# KiCad board robot-hub_rev4.kicad_pcb (continued)
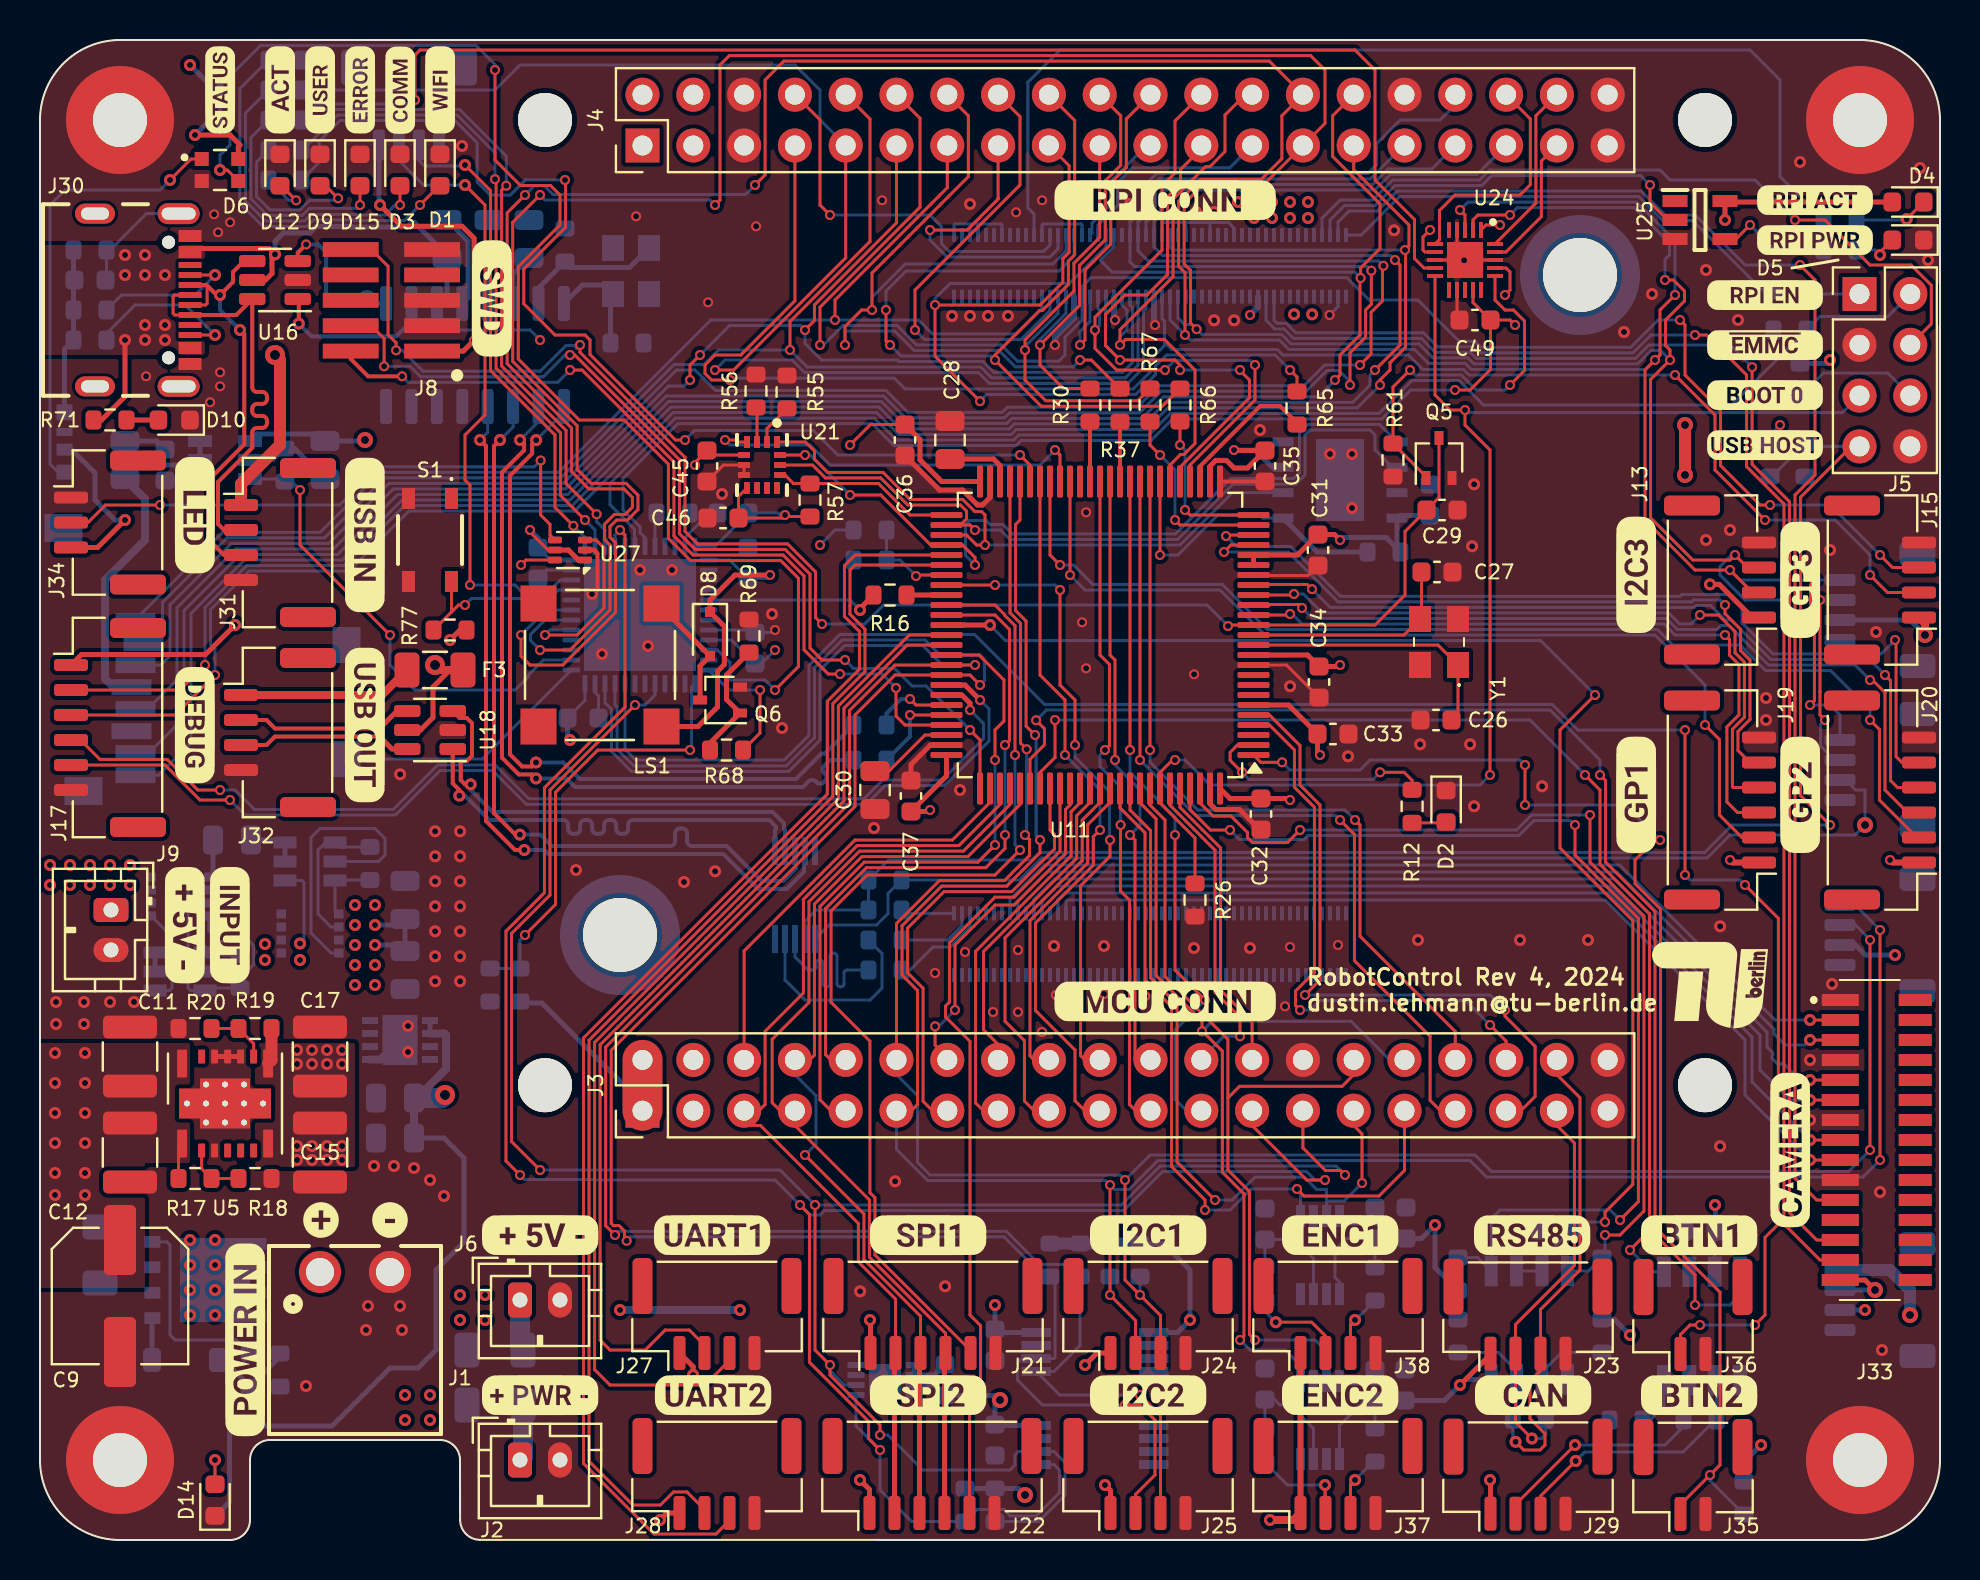
[diagram p0: board, top side]
## Routing (per net, layer and track width the routed paths; a pad name or vN(x,y) marks a point on that pad's centre or on a via; arc(x,y) is an arc through that point) (continued)
CM4_GPIO26: length 64
  Top w0.15: J4.13 45.37,67.62 39.75,62 v2(39.75,61)
  Bottom w0.15: Module1.24 50.1,61.57 48.84,60.31 44.62,60.31 43.92,61 v2(39.75,61) 33.54,61 25.93,53.39 17.01,53.39 14.01,50.39 9.13,50.39 4.77,46.03
CM4_GPIO27: length 75.5
  Top w0.15: v2(37.5,59.5) 37.5,60.93 41.5,64.93 41.5,71.05 J4.10
  Bottom w0.15: 54.33,58.17 54.27,58.11 ; 54.33,58.17 54.9,58.74 Module1.48 ; 54.33,58.17 54.27,58.11 ; 54.27,58.11 47.58,58.11 47.04,58.64 38.36,58.64 v2(37.5,59.5) 33.92,59.5 33.2,58.78 32.8,58.78 32.8,58.78 31.71,58.78 26.04,53.11 17.23,53.11 14.23,50.11 9.35,50.11 6.12,46.88 6.12,45.19 5.77,44.84
CM4_IDSC: length 5.6
  Bottom w0.15: 55.32,69.72 53.6,68 53.6,66.84 52.6,65.84 52.6,65.35 Module1.35
CM4_IDSD: length 16.6
  Top w0.15: v2(52,59.75) 52.25,60 52.25,63.5 53.54,64.79 53.54,67.85 54.31,68.62 54.31,71.05 J4.22
  Bottom w0.15: Module1.36 52.5,60.92 52,60.42 v2(52,59.75)
CM4_NRST: length 18.5
  Top w0.15: v2(73.5,57.75) 74.22,58.48 74.22,60.95 73.67,61.5 73.25,61.5 72.75,62 U24.16 ; 69.3,53.17 R61.1 67.65,57.65 v2(68.5,58.5)
  Bottom w0.15: v2(73.5,57.75) 73.25,57.5 71.81,57.5 71.06,58.25 68.75,58.25 v2(68.5,58.5)
CM4_USB_ROLE: length 80.5
  Top w0.15: v2(89.5,35.75) 88.03,37.22 88.03,41.55 88.03,41.55 88.03,41.95 88.03,41.95 88.03,52.14 90.57,54.68
  Bottom w0.15: 90.97,54.68 88.39,54.68 ; v2(89.5,35.75) 84.61,35.75 83.24,34.38 49.97,34.38 49.59,34 42.42,34 R53.2 R4.2 38.8,31.5 38.25,30.95 U19.2 ; R7.1 86.6,53.17
CS_FLASH: length 15.6
  Top w0.15: U11.32 v2(56,49.25)
  Bottom w0.15: v2(56,49.25) 56.89,49.25 58.89,51.25 61,51.25 61.16,51.09 U10.1
  Bottom w0.25: U10.1 63.84,49.4 R22.2
CS_IMU: length 9.2
  Top w0.15: U11.51 43.5,51.25 41.92,52.83 R57.2 37.67,52.83 37.25,53.25 U21.12
DETECT_USB: length 4.9
  Top w0.15: v2(43.8,48.2) 43.85,48.25 U11.57
  Bottom w0.15: v2(43.8,48.2) 43,49 R25.1 R24.2
ENABLE_SD: length 23.1
  Top w0.15: v2(13,52.5) 13,49.75 v2(17.5,45.25)
  Bottom w0.15: 12.57,52.92 v2(13,52.5) ; U9.3 12.12,53.05 ; U1.26 25.17,44 24.42,43.25 24.42,43.17 23.75,42.5 18.75,42.5 17.5,43.75 v2(17.5,45.25)
ENC1_A: length 41.8
  Top w0.15: 59.39,22.1 59.39,25.03 56.25,28.18 56.25,36 55.5,36.75 U11.93 ; 59.39,22.1 59.98,22.69 65.1,22.69 65.69,23.27 ; 59.39,22.1 59.39,18.5 60.47,17.42 60.47,10.28 v2(60.75,10)
  Bottom w0.15: v2(60.75,10) 63.75,10 64.32,9.42 U28.7
ENC1_B: length 44.9
  Top w0.15: 55,36.86 55.8,36.05 55.8,28.23 58.1,25.93 v2(58.1,25.44) 58.12,25.44 59.12,24.44 59.12,18.39 60.2,17.31 60.2,10.2 v2(60,10)
  Bottom w0.15: U28.5 63.03,8.73 62.25,9.5 60.5,9.5 v2(60,10) ; 68.22,23.27 65.56,25.94 58.6,25.94 v2(58.1,25.44)
ENC2_A: length 35.2
  Top w0.15: 65.69,20.73 66.1,20.31 v2(66.1,17.85) ; U11.91 54.5,36.5 55.53,35.47 55.53,28.11 56.85,26.79 56.85,18.9 v2(58.75,17)
  Bottom w0.15: 64.32,16.9 64.32,17.53 63.83,17.53 63.22,18.14 60.75,18.14 59.61,17 v2(58.75,17) ; 64.32,16.9 64.38,16.95 65.2,16.95 v2(66.1,17.85) ; 64.32,16.9 U29.7
ENC2_B: length 37.6
  Top w0.15: v2(58.25,16.5) 58.25,17 56.58,18.67 56.58,26.67 55.25,28 55.25,35.36 54,36.61 U11.90 ; v2(62.85,17.55) 63.2,17.2 66.95,17.2 68.22,18.48 68.22,20.73
  Bottom w0.15: U29.5 63.03,17.38 v2(62.85,17.55) 60.55,17.55 59.5,16.5 v2(58.25,16.5)
ERROR_LED: length 33.2
  Top w0.15: v2(27.83,51.29) 26.3,52.82 26.3,55.48 23.08,58.7 23.08,67.48 v2(23.31,67.72)
  Bottom w0.15: v2(27.83,51.29) 27.83,50.92 28.25,50.5 U1.39 ; R75.1 13.6,71.53 20.97,71.53 23.31,69.19 v2(23.31,67.72)
IMU_INT1: length 20.1
  Top w0.15: v2(34.25,55) 34.75,55 34.85,54.9 U21.4 ; v2(50.75,54.5) 51,54.25 U11.42
  Bottom w0.15: v2(34.25,55) 34.5,54.75 38.5,54.75 39.5,53.75 50,53.75 v2(50.75,54.5)
L431_SCL: length 105.2
  Top w0.15: v2(42,5.25) 42,5.75 39.5,8.25 v2(39.5,8.75) 38.75,9.5 v2(38.75,16.75) ; v2(65.25,18.25) 65.03,18.48 64.28,18.48 63.14,19.61 63.14,20.73 ; v2(25,18.5) 23.57,19.92 23.57,30.33 25.5,32.25 25.5,37.5 v2(29.75,41.75)
  Bottom w0.15: v2(65.25,18.25) 64.8,18.7 56,18.7 56,18.69 54.06,16.75 v2(38.75,16.75) 37,18.5 v2(25,18.5) ; U22.2 40.22,7.75 39.5,8.48 v2(39.5,8.75) ; R9.1 49.92,0.93 51.25,2.25 51.25,3.87 50.7,4.42 U8.6 48.92,4.42 48.75,4.25 48.75,3.75 48.5,3.5 44.14,3.5 42.39,5.25 v2(42,5.25) ; v2(29.75,41.75) 30.25,41.75 30.75,42.25 U1.17
L431_SDA: length 115
  Top w0.15: v2(38,16.75) 38.47,16.28 38.47,8.89 41.43,5.93 41.43,5.07 v2(42,4.5) ; v2(29,50.5) 29.25,50.25 29.25,41.64 25.22,37.61 25.22,32.36 23.3,30.44 23.3,18.95 v2(24,18.25) ; v2(64.25,18) 63.33,18 60.6,20.73
  Bottom w0.15: U1.40 28.75,50.25 v2(29,50.5) ; U8.5 50.7,3.78 50.97,3.5 50.97,2.36 49.81,1.2 48.5,1.2 48.5,1.22 48.2,1.53 46.85,1.53 R10.1 43.57,0.93 42,2.5 v2(42,4.5) 40.8,5.7 U22.1 ; v2(64.25,18) 63.75,18 63.33,18.42 56.12,18.42 54.18,16.47 39.22,16.47 39,16.25 38.5,16.25 v2(38,16.75) 36.75,18 27.75,18 27.72,18.03 24.22,18.03 v2(24,18.25)
L431_SWCLK: length 24.8
  Top w0.15: v1(21.25,68.75) 22.53,67.47 22.53,58.47 25.75,55.25 25.75,51.63 v2(26.67,50.71)
  Bottom w0.15: U1.37 27.25,50.13 v2(26.67,50.71) ; J10.3 18.95,68.98 19.23,68.7 21.2,68.7 v1(21.25,68.75)
L431_SWDIO: length 31
  Top w0.15: v1(21.25,67.75) 22.25,66.75 22.25,56.25 21.25,55.25 21.25,53 21.5,52.75 v2(21.5,47.75)
  Bottom w0.15: U1.34 26.01,48 25.36,47.35 24.15,47.35 23.75,47.75 v2(21.5,47.75) ; v1(21.25,67.75) 19.18,67.75 17.95,68.98 J10.2
nPWR_LED: length 20
  Top w0.15: v2(80.5,67.75) 80.5,66.87 81.37,66
  Bottom w0.15: Module1.95 64.5,65.99 65.23,66.72 66.75,66.72 67.75,67.72 72.09,67.72 72.59,68.22 80.03,68.22 v2(80.5,67.75)
nRPIBOOT: length 38.1
  Top w0.15: v2(87.75,66) 89.25,66 91.5,63.75 93.55,63.75 94.57,62.74 94.57,60.81 93.51,59.76
  Bottom w0.15: Module1.93 64.1,66.09 65.01,67 66.64,67 67.64,68 71.97,68 72.47,68.5 81,68.5 81.5,68 85.75,68 v2(87.75,66)
NRST: length 76.6
  Top w0.15: v2(27,59.75) 27,59.38 32.25,54.13 32.25,50.43 32.88,49.8 37.38,49.8 38.78,48.41 38.78,46.12 v2(39.1,45.8) ; Q5.3 69.95,52.12 C29.1 68.25,50.42 68.25,47.25 66.75,45.75 U11.14 59.45,45.75 v2(59.4,45.7) ; v2(17.8,59.48) 17.8,59.86 17.41,60.26 17.41,63.69 16.56,64.53
  Bottom w0.15: v2(17.8,59.48) 18.1,59.48 19.15,58.44 25.02,58.44 26.3,59.73 26.7,59.73 26.84,59.59 v2(27,59.75) ; v2(59.4,45.7) 58.35,46.75 42.18,46.75 41.23,45.8 v2(39.1,45.8)
PB1: length 34.9
  Top w0.15: U11.35 v2(54.5,39.5) ; v2(56.75,35.25) 56.75,28.5 v2(58.25,27)
  Bottom w0.15: v2(58.25,27) 56.75,25.5 56.75,22.04 58.06,20.73 ; v2(54.5,39.5) 54.5,38.39 56.75,36.14 v2(56.75,35.25)
PC0: length 34.7
  Top w0.15: v2(84.25,45.25) 84.47,45.03 84.47,44.24 84.95,43.77 84.95,41.26 84.34,40.65 84.34,36.91 84.88,36.38 J19.3 ; v2(62.5,46.3) 62.45,46.25 U11.15
  Bottom w0.15: v2(62.5,46.3) 62.6,46.3 63.1,45.8 81.2,45.8 81.75,45.25 v2(84.25,45.25)
PC1: length 40
  Top w0.15: v2(63.1,46.6) 62.92,46.78 61.5,46.78 61.47,46.75 U11.16 ; 93.38,36.38 92.25,37.5 92.25,42.37 91.62,43 v2(91.5,43)
  Bottom w0.15: v2(63.1,46.6) 63.62,46.08 81.31,46.08 81.86,45.53 83.86,45.53 84.05,45.73 84.45,45.73 86.42,43.75 90.75,43.75 v2(91.5,43)
PC8: length 33.3
  Top w0.15: U11.65 46.95,44.25 48.2,43 48.2,40.95 47.75,40.5 v2(47.75,39) ; v2(47.75,34.75) 46.89,33.89 41.21,33.89 39,31.68 39,22.01 40.28,20.73
  Bottom w0.15: v2(47.75,39) v2(47.75,34.75)
PD2: length 22.8
  Top w0.15: 45.37,20.73 44.15,21.94 44.15,27.59 43.38,28.36 43.38,30.6 45.2,32.42 48.59,32.42 50.72,34.55 50.72,35.28 50.5,35.5 U11.83
PD4: length 17.2
  Top w0.15: v2(45.75,26.5) 45.75,29.75 47.75,31.75 48.71,31.75 51.28,34.32 51.28,35.61 51.28,35.61 51.28,36.53 51.5,36.75 U11.85 ; v2(44.75,25.69) 44.75,24.75 45.37,24.14
  Bottom w0.15: v2(44.75,25.69) 44.94,25.69 v2(45.75,26.5)
PD5: length 18.8
  Top w0.15: 47.91,20.73 46.78,21.85 46.78,29.43 51.56,34.21 51.56,35.73 51.55,35.73 51.55,36.41 52,36.86
PD6: length 16
  Top w0.15: 47.91,23.44 47.91,24.78 47.17,25.52 47.17,29.42 51.83,34.08 51.83,36.21 52.5,36.88
PD7: length 19.1
  Top w0.15: 52.11,33.97 52.07,33.93 ; 52.11,33.97 52.07,33.93 ; 52.11,33.97 52.11,35.99 53,36.88 ; 52.07,33.93 48.25,30.11 48.25,25.94 49.22,24.97 49.22,21.95 50.44,20.73
PD8 (UART3_TX): length 65.3
  Top w0.15: U11.55 40.76,49.25 40.22,48.72 40.22,46.82 40.22,46.82 40.22,46.18 40.97,45.43 40.97,43.54 39.37,41.93 39.37,37.3 27.17,25.11 27.17,3.83 30.7,0.3 33.8,0.3 34.47,0.97
PD9 (UART3_RX): length 62.8
  Top w0.15: U11.56 40.75,48.75 40.5,48.5 40.5,46.71 40.5,46.71 40.5,46.29 41.25,45.54 41.25,43.43 39.64,41.82 39.64,37.18 27.45,24.99 27.45,3.94 29.64,1.75 31.02,1.75 31.68,2.4 32.35,2.4 33.22,1.53
PD11: length 32.1
  Top w0.15: U11.58 v2(47.75,47.75) ; v2(51.75,39.75) 51.75,42 51,42.75 v2(51,47.5) ; 52.98,23.27 52.03,24.22 52.03,32.71 53.5,34.18 v2(53.5,35)
  Bottom w0.15: v2(47.75,47.75) 50.75,47.75 v2(51,47.5) ; v2(51.75,39.75) 51.75,39.14 53.47,37.42 53.47,35.03 v2(53.5,35)
PD14: length 33.4
  Top w0.15: U11.61 47.75,46.25 48.47,45.53 48.47,39.97 v2(48.25,39.75) ; v2(48.25,35.25) 48.25,34.58 47.29,33.62 41.32,33.62 39.28,31.57 39.28,24.27 40.28,23.27
  Bottom w0.15: v2(48.25,39.75) v2(48.25,35.25)
PE7 (UART7_RX): length 30.9
  Top w0.15: U11.37 53.5,44.25 53.75,44 v2(53.75,39) ; v2(54.5,35.25) 54.75,35 54.75,24.04 55.53,23.27
  Bottom w0.15: v2(54.5,35.25) 55,35.75 55,37.5 53.75,38.75 v2(53.75,39)
PE8 (UART7_TX): length 33.6
  Top w0.15: v2(54.03,35.75) 54.03,35.75 54.03,32.45 54.47,32 54.47,21.78 55.53,20.73 ; v2(53.25,39.5) 53.47,39.72 53.47,43.78 53,44.25 U11.38
  Bottom w0.15: v2(53.25,39.5) 53,39.25 53,38.68 54.03,37.65 v2(54.03,35.75)
PE11: length 47.9
  Top w0.15: v2(51.5,48.25) U11.41 ; v2(83.25,40.75) 83.97,40.03 83.97,36.25 85.1,35.12 J19.2
  Bottom w0.15: v2(83.25,40.75) 83.25,42.75 80.75,45.25 61.25,45.25 59,47.5 52.25,47.5 v2(51.5,48.25)
PE13: length 55.2
  Top w0.15: v2(51,48.75) 50.5,49.25 U11.43 ; v2(91.5,41) 91.97,40.53 91.97,37 93.85,35.12
  Bottom w0.15: v2(91.5,41) 91.5,41.5 89.53,43.47 86.28,43.47 85,44.75 81.64,44.75 80.87,45.52 61.37,45.52 59.11,47.78 52.64,47.78 51.67,48.75 v2(51,48.75)
PE14: length 36.1
  Top w0.15: 52.98,20.73 51.75,21.96 51.75,24.5 49.78,26.47 49.78,30.85 52.66,33.74 52.66,35.16 v2(53,35.5) ; v2(51.25,39.25) 51.25,42 50,43.25 U11.44
  Bottom w0.15: v2(53,35.5) 53,37.5 v2(51.25,39.25)
POWER_IN:
  vias: v1(7.5,15) v1(7.5,13.75) v1(7.5,12.5) v1(7.5,11.25) v1(8.75,15) v1(8.75,13.75) v1(8.75,12.5) v1(8.75,11.25)
PWM_BUZZER: length 6.3
  Top w0.15: R68.2 36,40.35 v2(36,42.5)
  Bottom w0.15: U1.12 34.44,42.5 v2(36,42.5)
PWM_NEOPIXEL_1: length 64.2
  Top w0.15: v2(22.75,73.5) 22.75,69 24.03,67.72 25.53,67.72 26,67.25 26,65.75 23.91,63.66 23.91,59.05 26.96,56 29.21,56 31.42,53.79 31.42,50.08 32.53,48.97 37.04,48.97 37.92,48.09 37.92,43.67 v2(36.75,42.5)
  Bottom w0.15: U26.3 9.5,73.2 11.03,74.73 21.79,74.73 22.75,73.77 v2(22.75,73.5) ; v2(36.75,42.5) 36.25,43 34.5,43 34.5,43.87 33.87,44.5 U1.10
PWM_NEOPIXEL_2: length 9
  Top w0.15: v2(25.25,45.25) 26.86,45.25 28.2,46.59 28.2,49.6 27.8,50 U27.3
  Bottom w0.15: U1.29 25.5,45.5 v2(25.25,45.25)
RS485_1_A: length 24.3
  Top w0.15: v1(74.59,5.08) 73.78,5.89 J23.2 73.78,10.78 76.72,13.72 76.72,19.85 75.84,20.73
  Bottom w0.15: 75.1,8.39 76.08,9.38 R89.1 ; 75.29,7.84 R87.2 75.29,5.29 75.07,5.08 v1(74.59,5.08)
RS485_1_B: length 28.4
  Top w0.15: v1(73.78,4.91) 74.19,4.5 75,4.5 75.25,4.75 75.25,5.31 74.5,6.06 74.5,7.94 75.03,8.47 J23.3 75.03,11.53 77,13.5 77,22.11 75.84,23.27
  Bottom w0.15: 73.83,8.03 73.83,6.23 ; v1(73.78,4.91) 73.64,5.05 R87.1 ; 73.83,8.46 72.92,9.38 R88.2
RS485_EN: length 68.2
  Top w0.15: v2(77.75,42.25) 76,40.5 76,34.6 76.57,34.03 76.58,34.03 79.64,30.97 79.64,17.78 78.25,16.39 v2(78.25,15.9)
  Top w0.25: v1(47.5,45.75) 46.19,45.75 46.19,45.75 U11.62
  Bottom w0.15: v1(47.5,45.75) 48.28,44.97 75.03,44.97 v2(77.75,42.25) ; 73.83,13.45 U31.3 ; v2(78.25,15.9) 76.98,15.9 R79.1 75.1,14.03
RS485_RX: length 54.2
  Top w0.15: v2(59.5,35.5) 58.53,35.5 57.5,36.53 U11.97 ; v2(79,16) 79.92,16.92 79.92,31.08 76.75,34.25 v2(76.75,35.75)
  Bottom w0.15: R81.2 71.89,14.12 U31.1 72.56,16.06 73,16.5 78.5,16.5 v2(79,16) ; v2(76.75,35.75) 76.53,35.97 74.69,35.97 73.94,35.22 63.39,35.22 63.2,35.03 59.97,35.03 v2(59.5,35.5)
RS485_TX: length 48.1
  Top w0.15: U11.98 58,36.85 58.65,36.2 59.55,36.2 60.37,35.38 60.37,35.12 60.62,34.87 62.37,34.87 v2(63,35.5) ; v2(78.25,15.25) 79,15.25 80.2,16.45 80.2,31.2 77.5,33.89 v2(77.5,36.25)
  Bottom w0.15: v2(63,35.5) 73.83,35.5 74.58,36.25 v2(77.5,36.25) ; R78.2 77.43,13.45 U31.4 ; v2(78.25,15.25) 78.25,14.28
SD_CARD_SWITCH: length 13.1
  Bottom w0.15: U1.25 22.11,39.05 J7.9
SD_POWER: length 17.8
  Bottom w0.25: C25.1 4.95,53.75 7.75,53.75 U9.5 U9.6
  Bottom w0.4: J7.4 3.67,42.64 3.25,43.06 3.25,48 5.25,50 5.25,52.05 C25.1
SIGNAL_H7_L432: length 2
  Top w0.25: R16.1 U11.59
STAT_LED_2: length 32.9
  Top w0.15: v2(27.25,51) 26.03,52.22 26.03,55.36 22.8,58.59 22.8,67.99 v2(22.75,68.04)
  Bottom w0.15: U1.38 27.75,50.5 v2(27.25,51) ; v2(22.75,68.04) 22.75,69.36 20.86,71.25 14.88,71.25 13.13,69.5
SWCLK: length 47.5
  Top w0.15: v2(46.5,40.5) 47,40 U11.76 ; 16.56,60.72 17.2,60.07 v2(17.2,58.69) ; v2(26.5,59.25) 26.74,59.25 31.97,54.02 31.97,50.32 32.76,49.53 37.26,49.53 38.5,48.29 38.5,44.6 39.1,44 v2(40.25,44)
  Bottom w0.15: v2(26.5,59.25) 26.25,59.25 25.16,58.16 19.03,58.16 18.5,58.69 v2(17.2,58.69) ; v2(46.5,40.5) 44.3,42.7 43.6,42.7 42.72,43.58 40.67,43.58 v2(40.25,44)
SWDIO: length 43.4
  Top w0.15: v2(42.8,42.6) 42.8,41.2 43.25,40.75 45.32,40.75 ; v2(26.5,58.5) 27.1,58.5 31.7,53.9 31.7,50.2 32.65,49.25 37.15,49.25 38.2,48.2 38.2,44.51 39.41,43.3 v2(40,43.3)
  Top w0.2: J8.2 15.53,59.06 16.41,58.19 v2(18.1,58.19)
  Bottom w0.15: v2(26.5,58.5) 25.88,57.89 18.41,57.89 v2(18.1,58.19) ; v2(40,43.3) 42.1,43.3 v2(42.8,42.6)
SX1508_IO1: length 11.8
  Top w0.15: J4.36 74.52,71.05 74.52,67.77 74,67.25 70.75,67.25 69.97,66.48 69.97,65.03 U24.6
SX1508_IO6: length 6.9
  Top w0.15: U24.19 73.3,64.4 75.07,66.17 75.07,68.95 J4.37
SX1508_IO7: length 8.7
  Top w0.15: U24.20 74.79,66.84 74.79,71.21 J4.38
UC_AIN1: length 40.3
  Top w0.15: U11.33 v2(55.5,39.5) ; 70.76,23.27 70.76,25.42 66,30.19 66,35.75 v2(65.75,36)
  Bottom w0.15: v2(65.75,36) 65.25,36.5 57.89,36.5 55.5,38.89 v2(55.5,39.5)
UC_AIN2: length 42.8
  Top w0.15: U11.34 v2(55,39) ; 70.76,20.73 69.5,21.98 69.5,25.19 65.72,28.97 65.72,35.28 v2(65,36)
  Bottom w0.15: v2(65,36) 64.78,36.22 57.78,36.22 v2(55,39)
UC_AIN3: length 34.8
  Top w0.15: v2(83,46.25) 83.92,46.25 84.75,45.42 84.75,44.36 85.22,43.89 85.22,41.14 84.62,40.54 84.62,37.66 84.65,37.62 J19.4 ; U11.17 62.65,47.25 v2(62.7,47.3)
  Bottom w0.15: v2(62.7,47.3) 63.17,47.3 64.12,46.35 81.43,46.35 81.98,45.8 82.55,45.8 v2(83,46.25)
UC_AIN4: length 40.5
  Top w0.15: 60.7,47.78 63.37,47.78 v2(63.6,47.54) ; v2(92.25,43.25) 92.53,42.97 92.53,37.97 92.88,37.62 J20.4
  Bottom w0.15: v2(92.25,43.25) 91.47,44.03 86.54,44.03 84.56,46 84.25,46 83.53,46.73 82.8,46.73 82.71,46.63 64.51,46.63 v2(63.6,47.54)
UC_CM4_D_N: length 10.2
  Bottom w0.15: R59.2 42.1,29.33 42.1,27.6 41.5,27 38.25,27 37.25,28 U19.4
UC_CM4_D_P: length 10.2
  Bottom w0.15: R60.2 40.34,28.5 arc(40.24,28.46) 40.2,28.36 40.2,27.8 arc(40.16,27.7) 40.06,27.66 39.99,27.66 arc(39.89,27.7) 39.85,27.8 39.85,29.2 arc(39.81,29.3) 39.71,29.34 39.64,29.34 arc(39.54,29.3) 39.5,29.2 39.5,27.8 arc(39.46,27.7) 39.36,27.66 39.29,27.66 arc(39.19,27.7) 39.15,27.8 39.15,28.85 arc(39.11,28.95) 39.01,28.99 38.94,28.99 arc(38.84,28.95) 38.8,28.85 38.8,28.64 arc(38.76,28.54) 38.66,28.5 38.4,28.5 37.75,29.15 U19.3
UC_I2C_INTERN_SCL: length 108.7
  Top w0.15: J25.2 54.78,2.28 55.75,3.25 55.75,6 55,6.75 v2(54.25,6.75) ; v2(29.33,14.96) 29.22,15.07 29.22,15.45 28.95,15.73 28.67,15.73 28.56,15.83 28.56,24.49 40.75,36.68 40.75,41.25 42.75,43.25 U11.67 46.5,43.25 v2(47,42.75)
  Bottom w0.15: v2(54.25,6.75) 50.12,6.75 48.87,8 48.87,8.85 49.1,9.08 U7.6 50.7,9.08 50.75,9.13 50.75,12.92 ; v2(47,42.75) 47.22,42.98 47.22,44.03 47,44.25 45,44.25 44.25,45 40.11,45 38.72,43.61 38.72,40.11 37.31,38.7 29.69,38.7 28.85,39.54 28.85,41.65 28.75,41.75 U1.21 ; 50.18,13.17 48.2,15.16 29.53,15.16 v2(29.33,14.96)
UC_I2C_INTERN_SDA: length 108.3
  Top w0.15: J25.3 56.03,6.23 v2(55,7.25) ; v2(28.75,15.25) 28.28,15.72 28.28,24.65 40.47,36.84 40.47,41.47 42.75,43.75 U11.66 v2(46.75,43.75)
  Bottom w0.15: v2(55,7.25) 50.99,7.25 U7.5 50.7,8.42 52,9.73 R31.2 51.4,13.78 49.97,13.78 48.32,15.43 28.93,15.43 v2(28.75,15.25) ; U1.22 28.25,41.86 28.58,41.53 28.58,39.42 29.57,38.43 37.43,38.43 39,40 39,43.5 40.22,44.72 44.14,44.72 45.11,43.75 v2(46.75,43.75)
UC_LED1: length 55.4
  Top w0.15: v2(26.25,68) 26.28,67.97 26.28,65.64 24.19,63.55 24.19,61.81 25.75,60.25 27.25,60.25 27.5,60 27.5,59.28 31.78,55 v2(32.25,55) ; U11.45 49.5,53.75 v2(49,54.25)
  Bottom w0.15: v2(26.25,68) 24.27,68 23.51,67.24 23.01,67.24 23,67.25 22.5,67.25 21.86,67.89 21.86,69.86 20.75,70.97 14.99,70.97 13.95,69.93 13.95,68.88 R72.1 ; v2(32.25,55) 32.72,55.48 38.67,55.48 39.89,54.25 v2(49,54.25)
UC_LED2: length 12
  Top w0.15: U11.2 59.88,39.75 59.5,39.38 59.5,38.98 v2(60.1,38.39) ; R12.1 68.6,37.98 68.2,38.39 v2(67,38.39)
  Bottom w0.15: v2(67,38.39) 66.65,38.03 60.46,38.03 v2(60.1,38.39)
UC_PWM1: length 29.5
  Top w0.15: v2(63,26.5) 62.78,26.73 62.78,27.45 63.72,28.39 63.72,36.64 62.72,37.64 62.72,39.5 61.47,40.75 U11.4 ; 73.31,23.27 73.31,24.95 v2(72.5,25.75)
  Bottom w0.15: v2(72.5,25.75) 71.28,26.97 64,26.97 63.53,26.5 v2(63,26.5)
UC_PWM2: length 33.5
  Top w0.15: 73.31,20.73 74.75,22.17 74.75,24.69 73.25,26.19 v2(73.25,26.5) ; U11.5 61.47,41.25 63,39.72 63,37.75 64,36.75 64,28 v2(63.25,27.25)
  Bottom w0.15: v2(73.25,26.5) 72.5,27.25 v2(63.25,27.25)
UC_PWM3: length 45.2
  Top w0.15: U11.23 59.35,50.25 v2(59.3,50.2) ; v2(92.75,45) 92.8,44.95 92.8,39.17 93.1,38.88 J20.5
  Bottom w0.15: v2(92.75,45) 92.05,44.3 86.65,44.3 85.1,45.85 85.1,46.57 84.39,47.28 82.09,47.28 82,47.19 65.02,47.19 62.53,49.68 59.82,49.68 v2(59.3,50.2)
UC_PWM4: length 36.7
  Top w0.15: v2(59.2,49.4) 59.55,49.75 U11.22 ; v2(84.25,46.75) 84.25,46.31 85.03,45.54 85.03,44.47 85.5,44 85.5,41.03 84.9,40.42 84.9,39.48 85.5,38.88
  Bottom w0.15: v2(84.25,46.75) 84,47 82.69,47 82.59,46.91 64.91,46.91 62.41,49.4 v2(59.2,49.4)
UC_SCL_2: length 114.7
  Top w0.15: v2(53.5,17.75) v2(53.5,12.25) 54.78,10.98 J24.2 ; v2(92,19) v2(92,30.5) ; 42.82,20.73 43.88,21.78 43.88,27.48 43.1,28.25 43.1,30.71 45.09,32.7 48.34,32.7 50,34.36 v2(50,35) ; v2(49.75,40.25) 49.3,40.7 49.3,45.95 48.78,46.47 48.78,50.78 49,51 U11.46
  Bottom w0.15: v2(50,35) 49.81,35.19 49.81,40.19 v2(49.75,40.25) ; J14.1 90.75,31.75 v2(92,30.5) ; v2(92,19) 91.15,18.15 72.32,18.15 71.5,18.97 55.89,18.97 55.72,18.81 55.72,18.8 54.45,17.53 53.72,17.53 v2(53.5,17.75) 53.28,17.97 44.39,17.97 42.82,19.53 42.82,20.73 ; v2(53.5,12.25) R29.2
UC_SDA_2: length 111.5
  Top w0.15: 42.82,23.27 42.82,30.83 44.97,32.97 48.22,32.97 49.47,34.23 49.47,35.03 v2(49.25,35.25) ; J24.3 56.03,11.23 v2(55,12.25) 54.25,13 v2(54.25,18) ; v2(49.33,39.54) 49.03,39.85 49.03,45.83 48.5,46.36 U11.47 ; v2(91.5,30) v2(91.5,19.5)
  Bottom w0.15: v2(55,12.25) R27.2 ; 42.82,23.27 43.88,22.21 43.88,18.87 44.5,18.25 54,18.25 v2(54.25,18) 55.5,19.25 71.75,19.25 72.57,18.42 90.42,18.42 v2(91.5,19.5) ; v2(49.25,35.25) 49.33,35.33 v2(49.33,39.54) ; J14.2 90.77,30.75 91.5,30.02 v2(91.5,30)
UC_SPI1_CS_EXT1: length 40.1
  Top w0.15: U11.84 51,35.5 51,35.5 51,34.44 48.71,32.14 47.75,32.14 45.47,29.86 45.47,26.89 45.28,26.7 45.28,26.16 46.5,24.93 46.5,11.25 47.03,10.72 47.03,8.03 46.47,7.48 J22.5
UC_SPI1_MISO: length 31.8
  Top w0.15: U21.1 38.27,54.9 38.72,54.45 38.72,54.04 39.39,53.38 42.15,53.38 43.51,52.03 46.13,52.03 46.74,51.42 47.08,51.42 47.25,51.25 v2(47.25,49.75) 46.83,49.75 46.33,50.25 U11.53
  Bottom w0.15: v2(47.25,49.75) 57,49.75 59.62,52.37 U10.2
UC_SPI1_MOSI: length 39.5
  Top w0.15: U11.54 46.12,49.75 46.75,49.12 v2(46.75,48.75) ; 44.63,49.75 44.54,49.75 42.04,52.25 v2(40.5,52.25) ; v2(38.25,54.25) U21.14
  Bottom w0.15: v2(38.25,54.25) 38.5,54.25 v2(40.5,52.25) ; U10.5 66.98,55.78 63.39,55.78 62.97,55.36 62.97,53.36 62.68,53.07 59.54,53.07 56.77,50.3 48.61,50.3 48.14,50.78 47.5,50.78 47.3,50.98 46.47,50.98 46.28,50.78 46.28,49.23 v2(46.75,48.75)
UC_SPI1_SCLK: length 38.3
  Top w0.15: U21.13 38.62,53.75 39.27,53.1 42.04,53.1 43.39,51.75 46.02,51.75 46.33,51.44 46.33,51.06 46.02,50.75 ; v2(46.75,50.5) 46.5,50.75 U11.52
  Bottom w0.15: 67.62,53.64 66.75,54.5 66.75,55.25 66.5,55.5 63.5,55.5 63.25,55.25 63.25,53.25 62.79,52.79 59.65,52.79 56.89,50.03 48.5,50.03 48.03,50.5 v2(46.75,50.5)
UC_SPI2_CS_EXT1: length 50.8
  Top w0.15: v2(49,34.5) 47.75,33.25 41.35,33.25 39.55,31.45 39.55,26.89 41.5,24.94 41.5,17.37 41.75,17.11 41.75,14.25 46.53,9.48 ; U11.60 47.75,46.75 48.22,46.28 48.22,46.24 48.75,45.72 v2(48.75,39.25)
  Bottom w0.15: v2(48.75,39.25) 48.75,34.75 v2(49,34.5)
UC_SPI2_MISO: length 47.7
  Top w0.15: J21.4 45.28,10.33 41.47,14.14 41.47,17 36.61,21.86 36.61,25.04 38.45,26.88 38.45,31.91 40.98,34.45 46.17,34.45 48.5,36.78 U11.79
  Top w0.25: 45.22,9.23 J22.4
UC_SPI2_MOSI: length 46.7
  Top w0.15: J21.3 44.03,11.19 41.2,14.02 41.2,16.3 v2(38.25,19.25) ; U11.80 49,36.78 46.39,34.17 41.09,34.17 38.72,31.8 38.72,24.24 37.75,23.27
  Top w0.25: 43.97,8.98 J22.3
  Bottom w0.15: 37.75,23.27 38.8,22.21 38.8,19.8 v2(38.25,19.25)
UC_SPI2_SCLK: length 48.1
  Top w0.15: J21.2 42.78,12.05 40.92,13.91 40.92,15.83 36.03,20.73 35.2,20.73 36.26,21.78 36.26,25.44 38.17,27.35 38.17,32.03 40.86,34.72 45.95,34.72 48,36.78 U11.78
  Top w0.25: J22.2 42.72,9.3
UC_SPI_CM4_CS: length 7.2
  Top w0.2: U11.28 58,53.69 61.01,56.7 62,56.7 62.85,55.85
UC_TIM1: length 17
  Top w0.15: 56.5,36.78 U11.95 56.5,36.74 58.75,34.49 58.75,27.39 60,26.14 v2(60,25.19)
  Bottom w0.15: 58.06,24.06 59.19,25.19 v2(60,25.19)
UC_TIM2: length 15.8
  Top w0.15: U11.96 57,36.63 59.03,34.61 59.03,27.5 60.6,25.92 60.6,23.27
UC_UART_CM4_RX: length 8.1
  Top w0.15: R66.2 v2(57,54.75) ; U11.25 57.5,51.25 v2(57.25,51.5)
  Bottom w0.15: v2(57.25,51.5) 57.25,54.5 v2(57,54.75)
UC_UART_CM4_TX: length 9.5
  Top w0.15: v2(56,54.25) 55.5,54.75 R67.2 ; U11.24 57,50.75 v2(56.75,51)
  Bottom w0.15: v2(56.75,51) 56.75,53.5 v2(56,54.25)
UC_UART_EXT1_RX: length 52.8
  Top w0.15: 2.03,40 3,39.03 6.36,39.03 7.89,37.5 v2(9,37.5)
  Top w0.25: v2(46.5,41.5) 46.5,41.84 46.09,42.25 U11.69
  Bottom w0.15: v2(46.5,41.5) 47.17,40.83 47.17,40.07 45.11,38 42.14,38 41.2,37.06 24.44,37.06 22.75,38.75 19.89,38.75 17.66,36.53 10.72,36.53 9.75,37.5 v2(9,37.5)
UC_UART_EXT1_TX: length 54.1
  Top w0.15: v2(9.5,37) 8,37 6.25,38.75 J17.5
  Top w0.25: U11.68 46.25,42.75 v2(47,42)
  Bottom w0.15: v2(47,42) 47.45,41.55 47.45,39.95 45.22,37.72 42.25,37.72 41.31,36.78 24.32,36.78 22.64,38.47 20,38.47 17.78,36.25 10.25,36.25 v2(9.5,37)
UC_UART_EXT2_RX: length 49.2
  Top w0.15: 33.22,9.74 32.46,10.5 31.26,10.5 30.26,9.5 28.5,9.5 28.01,9.99 28.01,24.76 40.2,36.95 40.2,41.59 43.36,44.75 U11.64
UC_UART_EXT2_TX: length 52.7
  Top w0.15: 34.47,8.98 33.25,7.75 28.5,7.75 27.73,8.52 27.73,24.88 39.92,37.07 39.92,41.7 43.47,45.25 U11.63
UC_UART_EXT3_RX: length 15.7
  Top w0.15: 53.5,36.88 52.39,35.77 52.39,33.85 49.5,30.97 49.5,24.21 50.44,23.27
UC_UART_EXT3_TX: length 20.4
  Top w0.15: 47.5,36.88 45.62,35 40.75,35 35.2,29.45 35.2,24.45
UC_USB_D_N: length 37.2
  Top w0.2: v1(24.81,54.99) 24.61,54.79 24.61,54.32 23.5,53.22 23.5,39.28 24.11,38.68 24.6,38.68 v1(24.8,38.88)
  Bottom w0.15: 26.19,56.38 v1(24.81,54.99)
  Bottom w0.2: R35.2 39.25,39.33 39.07,39.33 37.8,38.05 26.98,38.05 26.16,38.88 v1(24.8,38.88)
UC_USB_D_P: length 37.2
  Top w0.2: v1(24.8,38.08) 24.6,38.28 23.94,38.28 23.1,39.12 23.1,53.38 24.21,54.49 24.21,54.79 v1(24,55)
  Bottom w0.15: 24.92,55.92 v1(24,55)
  Bottom w0.2: v1(24.8,38.08) 26.32,38.08 26.75,37.65 38.15,37.65 38.44,37.94 arc(38.61,38.01) 38.78,37.94 38.83,37.88 arc(39,37.81) 39.17,37.88 39.26,37.96 arc(39.33,38.13) 39.26,38.3 39.2,38.36 arc(39.13,38.53) 39.2,38.7 39.5,39 R36.2
USB_CM4_DEVICE_N: length 39.1
  Top w0.2: v1(23.99,35.27) 23.77,35.27 22.7,36.34 22.7,54.7 v1(23,55)
  Bottom w0.15: U15.3 23.66,55.66 v1(23,55)
  Bottom w0.2: v1(23.99,35.27) 25.01,35.27 25.58,34.7 31.52,34.7 arc(31.69,34.77) 31.76,34.94 31.76,35.34 arc(31.83,35.51) 32,35.58 32.12,35.58 arc(32.29,35.51) 32.36,35.34 32.36,34.94 arc(32.43,34.77) 32.6,34.7 34.33,34.7 36.08,32.95 37.17,32.95 37.8,33.58 37.8,33.85
USB_CM4_DEVICE_P: length 39.1
  Top w0.2: v1(22,55) 22.3,54.7 22.3,35.95 23.75,34.5 v1(24.22,34.5)
  Bottom w0.15: v1(22,55) 22.38,55.39 U15.4
  Bottom w0.2: v1(24.22,34.5) 25.22,34.5 25.42,34.3 34.17,34.3 35.92,32.55 37.33,32.55 38.2,33.42 38.2,33.85
USB_EXT_N: length 23.1
  Top w0.2: U18.1 20.64,37.83 20.97,37.5 v1(20.97,37.22)
  Bottom w0.2: U19.6 36.75,35.5 36.8,35.55 36.8,35.67 36.47,36 29.65,36 arc(29.48,35.93) 29.41,35.76 29.41,35.55 arc(29.34,35.38) 29.17,35.31 29.05,35.31 arc(28.88,35.38) 28.81,35.55 28.81,35.76 arc(28.74,35.93) 28.57,36 28.45,36 arc(28.28,35.93) 28.21,35.76 28.21,35.55 arc(28.14,35.38) 27.97,35.31 27.85,35.31 arc(27.68,35.38) 27.61,35.55 27.61,35.76 arc(27.54,35.93) 27.37,36 27.25,36 arc(27.08,35.93) 27.01,35.76 27.01,35.55 arc(26.94,35.38) 26.77,35.31 26.65,35.31 arc(26.48,35.38) 26.41,35.55 26.41,35.76 arc(26.34,35.93) 26.17,36 22.47,36 21.25,37.22 v1(20.97,37.22)
